# Altium PCB PCB.PcbDoc (part 2 of 3)
Units mil, origin at the board's own origin, x right, y up, seen from the top; angles counter-clockwise.
Board outline 5118.11 x 3622.05 mil, 2 copper layers (Top Layer, Bottom Layer), stack 61.811 mil thick; 308 components, 151 nets, 766 pads, 1310 vias.
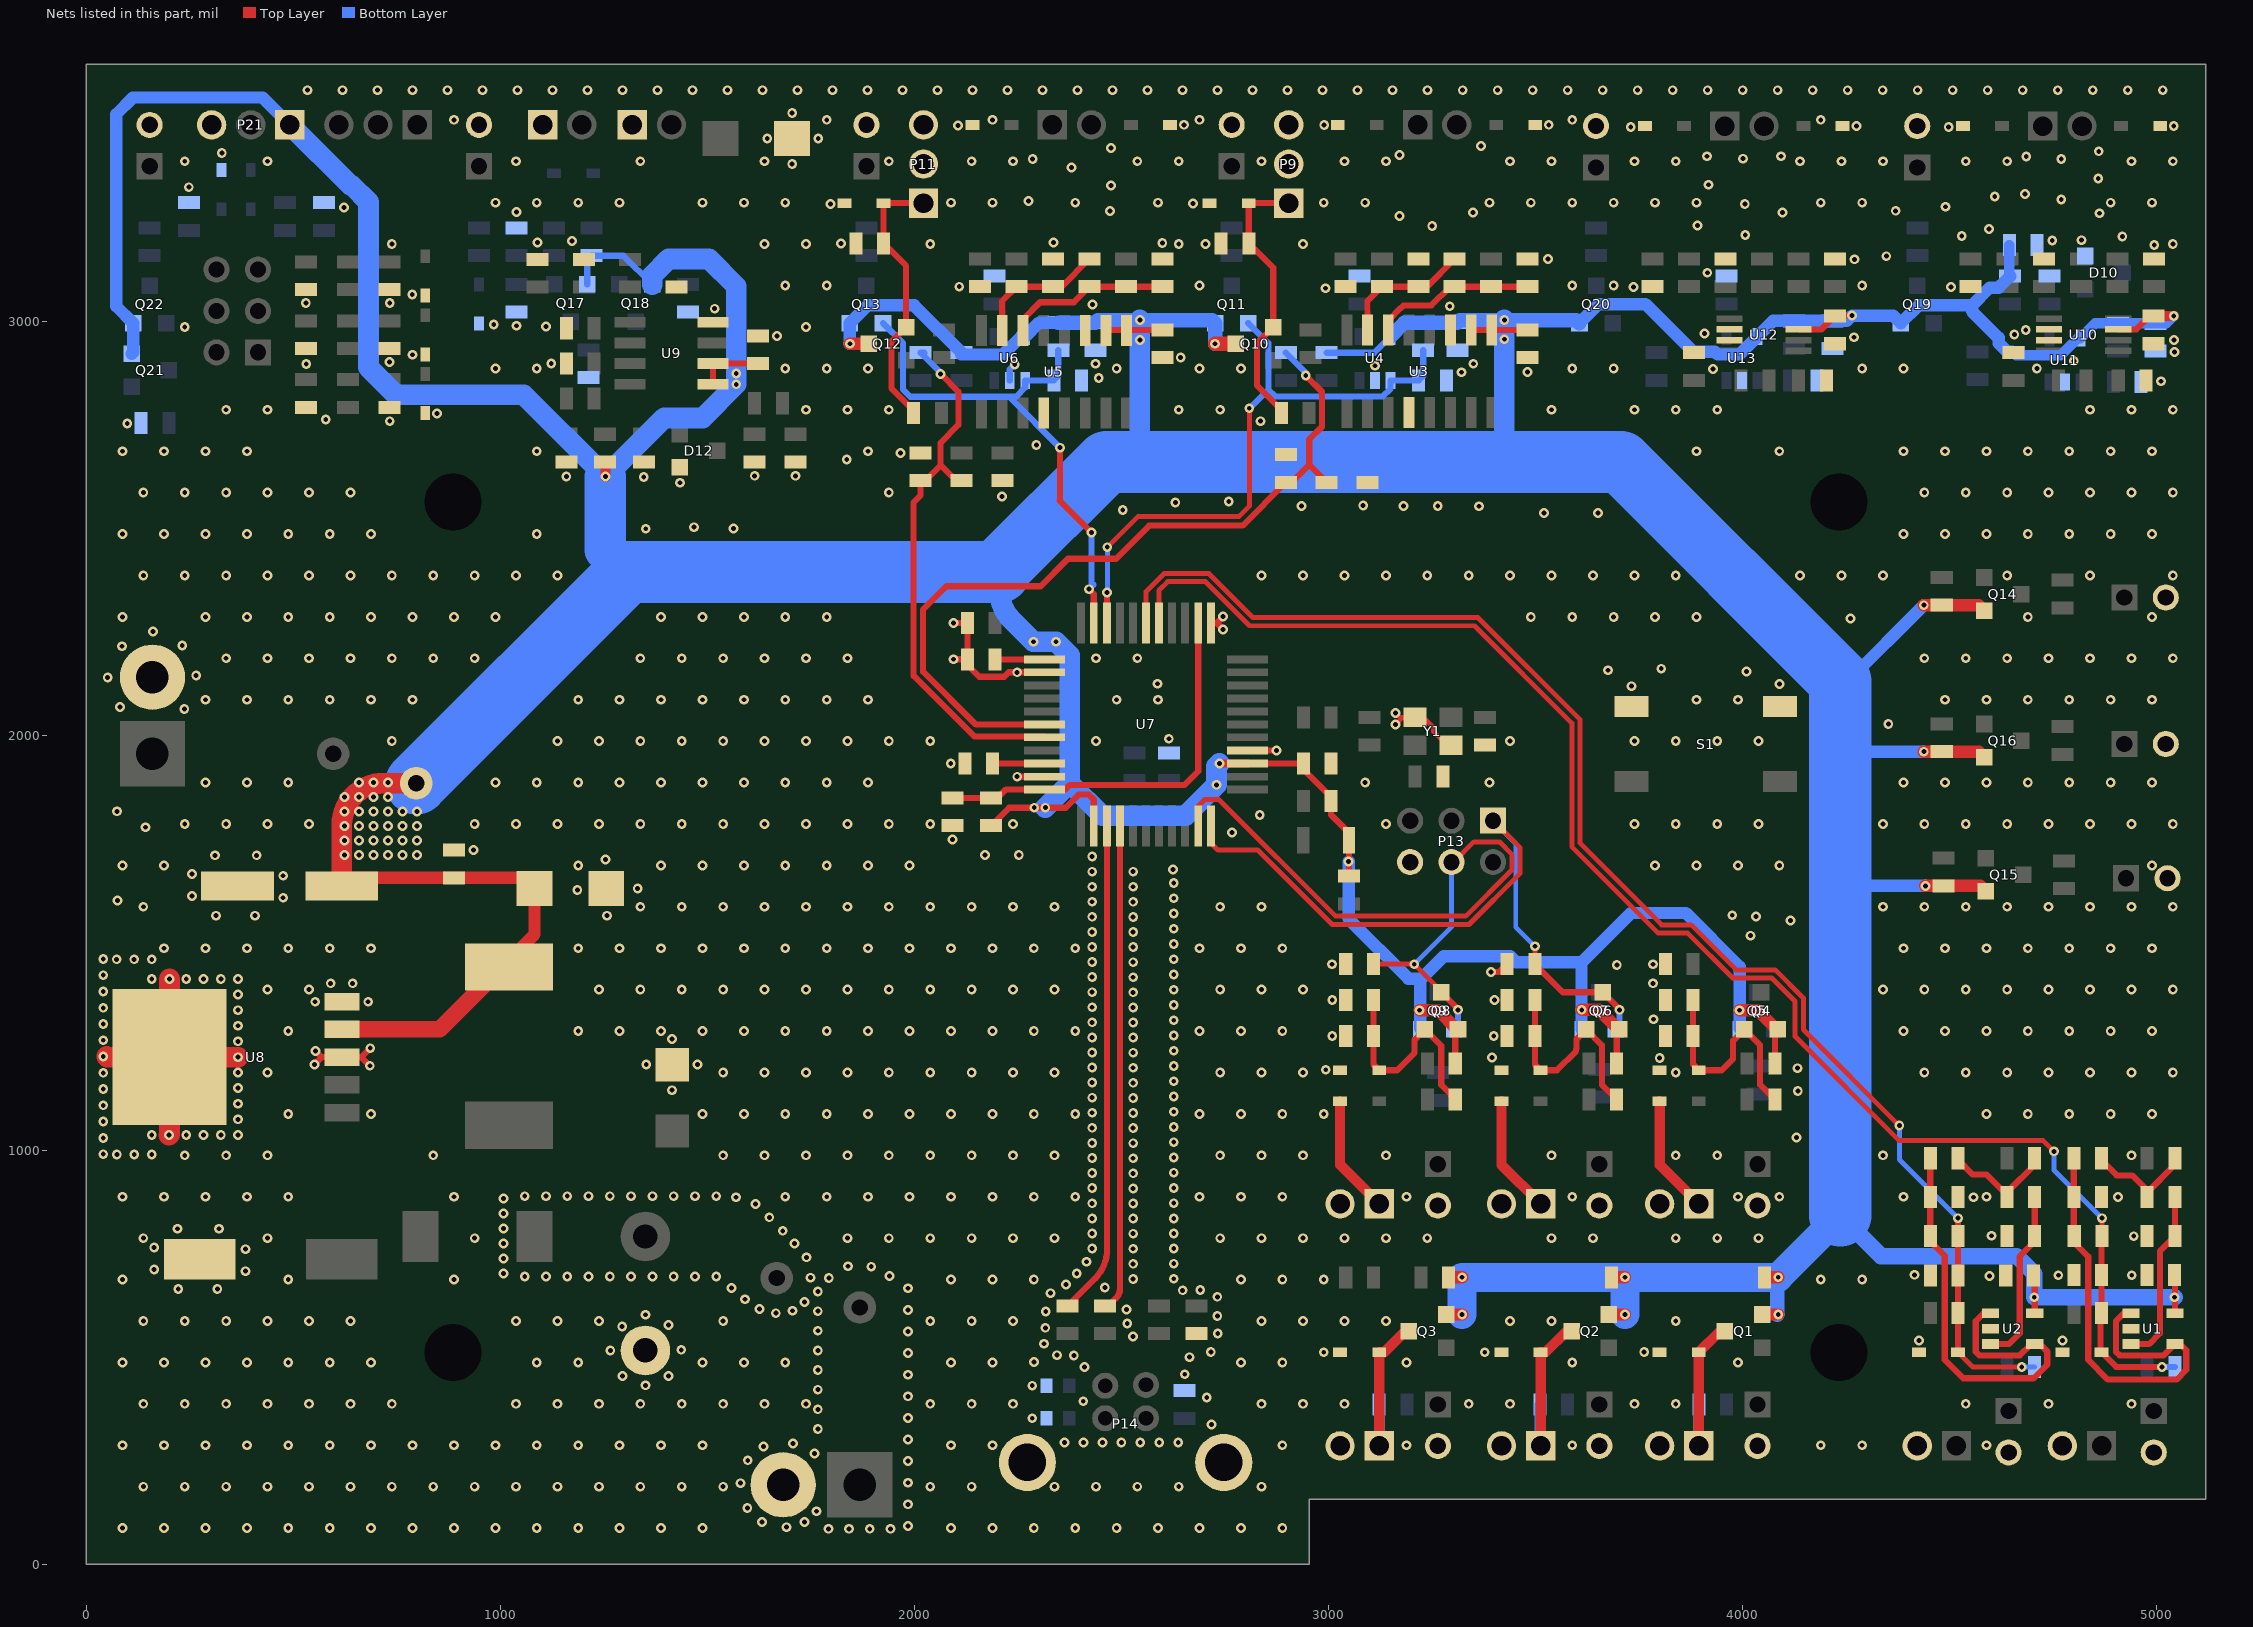
[diagram p2: the nets of this part, all layers, seen from the top]

## Via types
v1: diameter 23.62, hole 11.81, Top Layer to Bottom Layer, tented both sides, 1308 vias
v2: diameter 23.62, hole 11.81, Top Layer to Bottom Layer, 2 vias

## Nets (pads, with @x,y where several pads share a name; then routed paths per layer and width w, separated by ;. In a path a pad name is that pad's centre, name@x,y a point inside that pad or via, vN(x,y) a via of type N, cw(c..) or ccw(c..) an arc to the next point about the centre after c; other vN are vias at no path point) (continued)
5V: C1.2 C5.2 C12.1 C14.2 C20.1 C21.2 C28.1 C29.1 C38.1 C39.2 C40.1 C47.1 C49.1 C50.2 C56.1 C57.2 D7.2 F2.1 L1.1 L4.2 P21.1 Q1.3 Q2.3 Q3.3 Q4.3 Q5.3 Q6.3 Q7.3 Q8.3 Q9.3 Q10.2 Q11.3 Q12.2 Q13.3 Q14.3 Q15.3 Q16.3 Q17.3 Q18.3 Q19.3 Q20.3 Q21.3 Q22.3 R11.1 R12.1 R13.1 R20.1 R21.1 R22.1 R37.1 R38.1 R47.1 R49.1 R60.1 R62.2 R69.1 R70.1 R71.1 R72.2 R79.1 R80.1 R85.1 R86.1 R95.1 R96.1 TZ20.2 U1.5 U2.5 U3.1 U3.2 U4.5 U5.1 U5.2 U6.5 U7.2 U7.14 U7.34 U8.4 U9.5 U9.6 U10.7 U11.5 U12.7 U13.5 | length 24145.2
  Top Layer w15: U9.5@1513.71,2848.82 U9.6@1513.71,2898.82 C40.1@1622.05,2898.82 ; L1.1@2185.04,1783.46 2228.35,1826.77 v1(2289.37,1826.77) v1(2315.94,1826.77) 2364.9,1826.77 2396.39,1858.27 2421.26,1858.27 2433.06,1846.47 U7.2@2433.06,1782.56 ; C28.1@2194.88,2185.04 2195.36,2184.56 U7.34@2314.06,2184.56 ; U5.2@2462.2,2980.32 C20.1@2598.43,2980.32 ; U7.14@2804.06,1933.56 C29.1@2938.98,1933.56 2938.98,1919.29 3005.91,1852.36 R60.1@3005.91,1842.52 3005.91,1809.06 3049.21,1765.75 D7.2@3049.21,1748.03 R62.2@3049.21,1661.42 ; R22.1@3305.74,1208.66 3305.74,1284.8 Q8.3@3312.28,1291.34 ; U3.2@3344.09,2980.32 U3.1@3394.09,2980.32 C12.1@3480.32,2980.32 ; R21.1@3695.51,1208.66 3695.51,1284.8 Q6.3@3702.04,1291.34 ; R20.1@4077.4,1208.66 4077.4,1284.8 Q4.3@4083.93,1291.34 ; U12.7@4134.84,2981.3 4189.96,2981.3 C56.1@4222.44,3013.78 4223.42,3014.76 v1(4263.78,3014.76) ; C5.2@4701.77,696.85 4704.72,693.9 U2.5@4704.72,606.3 ; U10.7@4906.5,2981.3 4949.8,2981.3 4982.28,3013.78 C49.1@4992.13,3013.78 ; U1.5@5043.31,606.3 C1.2@5043.31,697.83
  Top Layer w20: v1(2736.22,1933.56) U7.14@2804.06,1933.56
  Top Layer w25: R80.1@1252.95,2661.42 1253.94,2660.43 v1(1253.94,2625.98) ; C49.1@4992.13,3013.78 v1(5040.35,3013.78)
  Top Layer w30: C38.1@617.58,1637.8 637.26,1657.48 C39.2@888.78,1657.48 1056.46,1657.48 TZ20.2@1082.68,1631.26 1082.68,1520.67 1012.3,1450.3 L4.2@1020.67,1441.93 ; v1(1844.06,2946.85) Q12.2@1889.76,2946.85 ; v1(3219.49,1337.6) 3264.03,1337.6 3310.29,1291.34 Q8.3@3312.28,1291.34 ; Q3.3@3283.46,602.99 v1(3322.4,602.99) ; R13.1@3289.48,692.91 v1(3322.4,692.91) ; v1(3611.22,1338.58) 3611.46,1338.34 3653.06,1338.34 3700.06,1291.34 Q6.3@3702.04,1291.34 ; Q2.3@3676.61,602.99 v1(3715.55,602.99) ; R12.1@3682.63,692.91 v1(3715.55,692.91) ; v1(3992.13,1337.6) 4035.69,1337.6 4081.95,1291.34 Q4.3@4083.93,1291.34 ; Q1.3@4046.69,602.99 v1(4085.63,602.99) ; R11.1@4052.7,692.91 v1(4085.63,692.91) ; v1(4437.01,1961.89) R71.1@4480.32,1961.89 4569.61,1961.89 Q16.3@4582.68,1948.82 ; v1(4437.01,2315.59) R69.1@4480.32,2315.59 4569.61,2315.59 Q14.3@4582.68,2302.52 ; v1(4440.94,1637.8) R70.1@4484.25,1637.8 4573.54,1637.8 Q15.3@4586.61,1624.72
  Top Layer w35: v1(2725.94,2946.85) Q10.2@2776.14,2946.85
  Top Layer w40: U8.4@617.58,1291.34 853.35,1291.34 L4.2@1012.3,1450.3
  Top Layer w50: C38.1@617.58,1637.8 617.58,1785.83 cw(c717.58,1785.83) 717.58,1885.83 F2.1@797.24,1885.83
  Bottom Layer w15: Q21.3@110.04,2922.52 110.04,2993.11 Q22.3@113.54,2996.61 ; Q17.3@1209.92,3090 1209.92,3148.9 R79.1@1220.47,3159.45 1297.32,3159.45 Q18.3@1366.77,3090 ; R38.1@2995.33,2925.2 3110.24,2925.2 U4.5@3149.61,2964.57 ; R72.2@4643.7,3112.21 R72.2@4645.67,3110.24
  Bottom Layer w25: R72.2@4643.7,3112.21 C47.1@4643.7,3185.04 ; R86.1@4653.54,2925.2 4659.41,2919.33 4767.34,2919.33 4808.51,2960.5 U11.5@4814.96,2960.5 4850.52,2996.06 R85.1@4905.51,2996.06 C50.2@4996.06,2996.06 5022.64,2996.06 v1(5040.35,3013.78)
  Bottom Layer w30: Q21.3@110.04,2922.52 113.54,2926.02 Q22.3@113.54,2996.61 72.83,3037.32 72.83,3500.98 113.19,3541.34 426.06,3541.34 P21.1@492.13,3475.28 ; v1(1844.06,2946.85) Q13.3@1844.06,2996.61 1887.06,3039.61 1999.03,3039.61 R49.1@2113.45,2925.2 2113.45,2920.9 2214.25,2920.9 2257.92,2964.57 U6.5@2267.72,2964.57 2301.18,2998.03 R47.1@2347.44,2998.03 ; v1(3048.23,1696.85) 3048.23,1558.16 3192.38,1414.01 3217.64,1414.01 3220.78,1410.87 ; Q9.3@3223.78,1291.34 3220.78,1294.34 3220.78,1410.87 ; Q20.3@3605.67,2996.61 3651.38,3042.32 3764.76,3042.32 R96.1@3881.89,2925.2 3884.22,2927.53 3932.66,2927.53 3939.29,2920.9 3991.76,2920.9 U13.5@4035.43,2964.57 4072.83,3001.97 R95.1@4123.03,3001.97 C57.2@4216.54,3001.97 4250.98,3001.97 v1(4263.78,3014.76) 4363.11,3014.76 Q19.3@4381.26,2996.61 4424.26,3039.61 4553.65,3039.61 ; Q7.3@3613.54,1291.34 3610.54,1291.34 3610.54,1453.06 ; Q5.3@3995.43,1291.34 3992.43,1294.34 3992.43,1442.61 3862.66,1572.38 3729.86,1572.38 3610.54,1453.06 ; 4235.24,1640.75 4238.19,1637.8 v1(4440.94,1637.8) ; 4235.24,1959.65 4237.48,1961.89 v1(4437.01,1961.89) ; 4235.24,2131.89 4253.31,2131.89 v1(4437.01,2315.59) ; R72.2@4645.67,3110.24 4617.49,3082.06 4596.09,3082.06 4553.65,3039.61 ; R86.1@4653.54,2925.2 4650.95,2927.79 4638.14,2927.79 4617.75,2948.18 4617.75,2960.99 4553.65,3025.09 4553.65,3039.61 ; 3220.78,1410.87 3278.42,1468.5 3437.99,1468.5 3453.43,1453.06 3610.54,1453.06
  Bottom Layer w35: R47.1@2347.44,2998.03 2348.33,2997.14 2436.11,2997.14 C21.2@2437.01,2998.03 2442.91,3003.94 v1(2544.29,3003.94) 2718.62,3003.94 Q11.3@2725.94,2996.61 v1(2725.94,2946.85) ; U4.5@3149.61,2964.57 3183.07,2998.03 R37.1@3228.35,2998.03 C14.2@3311.02,2998.03 3316.93,3003.94 v1(3424.21,3003.94) 3598.35,3003.94 Q20.3@3605.67,2996.61 ; v1@4083.6,602.99 4083.6,690.89 cw(c4085.63,690.89) v1(4085.63,692.91)
  Bottom Layer w40: 4235.24,842.52 4333.66,744.09 4661.42,744.09 4703.74,701.77 v1(4703.74,644.69) v1(5042.32,644.69)
  Bottom Layer w50: P21.1@492.13,3475.28 638.14,3329.26 641.59,3329.26 681.71,3289.15 681.71,2889.76 748.12,2823.35 1056.57,2823.35 v1(1253.94,2625.98) 1395.67,2767.72 1488.78,2767.72 v1(1569.88,2848.82) v1(1569.88,2875) 1569.88,3085.63 1503.94,3151.57 1406.5,3151.57 1366.77,3111.85 Q18.3@1366.77,3090 ; 2205.71,2403.77 2205.71,2350.48 ccw(c2305.71,2350.48) 2235,2279.77 v1(2287.4,2227.36) v1(2341.54,2227.36) 2375,2193.9 2375,1885.83 ; v1(2315.94,1826.77) 2375,1885.83 ; v1(2544.29,3003.94) v1(2544.29,2955.71) 2544.29,2661.42 2564.96,2661.42 ; v1(2736.22,1933.56) 2729.33,1926.67 v1(2729.33,1881.89) 2654.53,1807.09 2453.74,1807.09 2375,1885.83 ; v1(3424.21,3003.94) v1(3424.21,2957.68) 3424.21,2663.79 ccw(c3427.57,2663.79) 3425.2,2661.42
  Bottom Layer w70: v1(3322.4,602.99) v1(3322.4,692.91) v1(3715.55,692.91) ; v1(3715.55,602.99) v1(3715.55,692.91) ; 4235.24,842.52 v1(4085.63,692.91) v1(3715.55,692.91)
  Bottom Layer w100: v1(1253.94,2625.98) 1253.94,2448.82 1307.09,2395.67
  Bottom Layer w150: F2.1@797.24,1885.83 1307.09,2395.67 2205.71,2395.67 ; 2205.71,2403.77 2463.35,2661.42 2564.96,2661.42 ; 2471.46,2661.42 3705.71,2661.42 4235.24,2131.89 4235.24,1959.65 4235.24,1640.75 4235.24,842.52
  other v1: 624.02,1712.6 658.96,1712.6 693.9,1712.6 728.84,1712.6 763.78,1712.6 798.72,1712.6 624.02,1747.54 658.96,1747.54 693.9,1747.54 728.84,1747.54 763.78,1747.54 798.72,1747.54 624.02,1782.48 658.96,1782.48 693.9,1782.48 728.84,1782.48 763.78,1782.48 798.72,1782.48 624.02,1817.42 658.96,1817.42 693.9,1817.42 728.84,1817.42 763.78,1817.42 798.72,1817.42 624.02,1852.36 658.96,1852.36 693.9,1852.36 728.84,1852.36 658.96,1887.3 693.9,1887.3 728.84,1887.3
ANALOG_OUT_1: C4.1 R1.2 R5.2 R116.1 TZ1.2 U7.27 | length 3768.1
  Top Layer w12: U7.27@2590.06,2272.56 2590.06,2350.96 2611.36,2372.27 2702.54,2372.27 2808.83,2265.97 3352.08,2265.97 3587.24,2030.81 3587.24,1732.64 3795.94,1523.94 3866.93,1523.94 3975.52,1415.34 4069.73,1415.34 4125.98,1359.09 4125.98,1274.52 4376.88,1023.62 4724.41,1023.62 v1(4750.98,997.05) ; R116.1@4867.13,792.21 v1(4867.13,835.63)
  Top Layer w15: R116.1@4866.14,791.23 C4.1@4866.14,697.83 R1.2@4866.14,606.3 4863.82,603.97 4863.82,514.14 TZ1.2@4866.14,511.81 4901.57,476.38 v1(5012.06,476.38)
  Bottom Layer w12: v1(4750.98,997.05) 4750.98,951.77 v1(4867.13,835.63)
  Bottom Layer w15: v1(5012.06,476.38) R5.2@5043.31,476.38
ANALOG_OUT_2: C8.1 R6.2 R7.2 R117.1 TZ2.2 U7.28 | length 3490.1
  Top Layer w12: U7.28@2559.06,2272.56 2559.06,2348.24 2603.08,2392.27 2710.82,2392.27 2817.12,2285.97 3360.37,2285.97 3607.24,2039.09 3607.24,1740.92 3804.23,1543.94 3875.21,1543.94 3983.81,1435.34 4078.02,1435.34 4145.98,1367.37 4145.98,1291.02 v1(4377.95,1059.06) ; TZ2.2@4519.68,511.81 4555.12,476.38 v1(4673.46,476.38)
  Top Layer w15: TZ2.2@4519.68,511.81 R7.2@4519.68,606.3 C8.1@4519.68,696.85 R117.1@4519.68,792.21 v1(4519.68,835.63)
  Bottom Layer w12: v1(4377.95,1059.06) 4377.95,977.36 v1(4519.68,835.63) ; v1(4673.46,476.38) R6.2@4704.72,476.38
DIN_1: D1.2 P6.1 | length 287.2
  Top Layer w25: D1.2@3799.21,1118.11 3799.21,964.57 P6.1@3893.7,870.08
DIN_2: D6.2 P7.1 | length 287.2
  Top Layer w25: D6.2@3417.32,1118.11 3417.32,964.57 P7.1@3511.81,870.08
DIN_3: D2.2 P8.1 | length 287.2
  Top Layer w25: D2.2@3027.56,1118.11 3027.56,964.57 P8.1@3122.05,870.08
DM: R64.2 U7.3 | length 1193.6
  Top Layer w15: R64.2@2370.08,624.02 2435.77,689.7 ccw(c2365.06,760.41) 2465.06,760.41 U7.3@2465.06,1782.56
DOUT_1: P3.1 Q1.2 R14.2 TZ3.2 | length 410.2
  Top Layer w25: P3.1@3893.7,285.82 TZ3.2@3893.7,511.81 3944.88,562.99 Q1.2@3956.69,562.99
  Bottom Layer w25: P3.1@3893.7,285.82 R14.2@3893.7,385.83
DOUT_2: P4.1 Q2.2 R15.2 TZ4.2 | length 422.8
  Top Layer w25: P4.1@3511.81,285.82 TZ4.2@3511.81,511.81 3523.62,511.81 3574.8,562.99 Q2.2@3586.61,562.99
  Bottom Layer w25: R15.2@3509.84,385.83 3509.84,287.79 P4.1@3511.81,285.82
DOUT_3: P5.1 Q3.2 R16.2 TZ5.2 | length 418.6
  Top Layer w25: P5.1@3122.05,285.82 TZ5.2@3122.05,511.81 3133.86,511.81 3185.04,562.99 Q3.2@3193.46,562.99
  Bottom Layer w25: P5.1@3122.05,285.82 R16.2@3122.05,385.83
DP: R65.2 U7.4 | length 1175.6
  Top Layer w15: R65.2@2460.63,624.02 ccw(c2460.63,643.03) 2474.07,629.58 2486.22,641.73 ccw(c2462.48,665.48) 2496.06,665.48 U7.4@2496.06,1782.56
GND: C1.1 C3.2 C4.2 C5.1 C7.2 C8.2 C9.1 C10.1 C11.1 C12.2 C13.1 C14.1 C16.1 C17.1 C18.1 C19.1 C20.2 C21.1 C22.1 C23.1 C25.1 C26.1 C27.1 C28.2 C29.2 C30.1 C31.1 C32.2 C33.2 C35.2 C36.2 C37.2 C38.2 C39.1 C40.2 C41.1 C42.1 C43.1 C44.1 C45.1 C46.1 C47.2 C48.2 C49.2 C50.1 C52.1 C53.1 C54.1 C55.1 C56.2 C57.1 C59.1 C60.1 C61.1 C62.1 C63.1 C64.1 C65.1 C66.1 D3.1 D4.1 D5.1 D9.1 D10.3 D12.3 D13.1 L3.1 LED1.2 LED2.2 LED3.2 LED4.2 LED5.2 LED6.2 LED7.2 LED8.2 LED9.2 LED10.2 LED11.2 LED12.2 LED13.2 LED14.2 LED15.2 LED16.2 LED17.2 P1.2 P2.2 P3.2 P4.2 P5.2 P6.2 P7.2 P8.2 P9.2 P9.3 P11.2 P11.3 P13.6 P14.5 P14.6 P15.2 P16.1 P17.1 P21.3 P23.2 R4.2 R10.2 R26.1 R27.1 R28.1 R32.1 R33.1 R34.1 R42.2 R44.2 R46.1 R52.2 R57.2 R58.1 R63.1 R75.2 R76.2 R78.2 R82.1 R84.2 R91.2 R92.2 R94.1 R101.2 R102.2 R104.1 R108.2 R109.2 R110.2 R112.2 R114.1 R115.1 S1.1 S1.2 TZ1.1 TZ2.1 TZ3.1 TZ4.1 TZ5.1 TZ6.1 TZ7.1 TZ8.1 TZ9.1 TZ10.1 TZ11.1 TZ12.1 TZ13.1 TZ14.1 TZ15.1 TZ16.1 TZ17.1 TZ18.1 TZ19.1 TZ20.1 TZ21.1 TZ22.1 U1.2 U2.2 U3.3 U3.12 U4.2 U5.3 U5.12 U6.2 U7.15 U7.23 U7.35 U7.43 U8.3 U8.5 U8.6 U9.8 U10.2 U10.3 U11.2 U12.2 U12.3 U13.2 Y1.2 Y1.4 Z1.1 Z2.1 | length 1745.9
  Top Layer w12: v1(3161.42,2027.56) 3178.54,2044.69 ; v1(3161.42,2055.12) 3171.85,2044.69 3178.54,2044.69 ; Y1.2@3295.28,1977.76 3286.14,1977.76 3253.72,2010.18 3253.72,2019.32 3228.35,2044.69 Y1.4@3208.66,2044.69 3178.54,2044.69
  Top Layer w15: v1(551.18,1206.69) 568.9,1224.41 ; v1(554.13,1239.17) 568.9,1224.41 ; v1(685.04,1203.74) 664.37,1224.41 ; v1(686.02,1246.06) 664.37,1224.41 ; v1(2094.49,2185.04) C28.2@2127.95,2185.04 ; v1(2094.49,2272.56) R63.1@2127.95,2272.56 C28.2@2127.95,2185.04 ; v1(2248.03,1901.57) U7.43@2314.06,1901.56 ; U7.35@2314.06,2153.56 v1(2248.03,2153.56) 2227.64,2153.56 2217.05,2142.96 2156.25,2142.96 2127.95,2171.26 C28.2@2127.95,2185.04 ; U7.23@2716.06,2272.56 2729.41,2272.56 ; v1(2745.08,2256.89) 2729.41,2272.56 ; v1(2745.08,2288.23) 2729.41,2272.56 ; U7.15@2804.06,1964.56 v1(2874.02,1964.56) ; v1(3391.73,1430.12) 3412.4,1430.12 R33.1@3431.1,1448.82 ; 568.9,1224.41 U8.3@617.58,1224.41 664.37,1224.41
  Top Layer w50: v1@50,1225.89 51.48,1224.41 U8.6@201.32,1224.41 ; v1(200.2,1036.66) 201.32,1037.79 U8.6@201.32,1224.41 ; v1(201.32,1413.14) U8.6@201.32,1224.41 ; v1(367.13,1224.41) U8.6@201.32,1224.41
  Bottom Layer w15: U6.2@2230.31,2858.27 2230.31,2884.84 v1(2242.13,2896.65)
  other v1: 1792.32,85.63 1842.19,85.63 1892.06,85.63 1941.93,85.63 88.19,87.4 188.19,87.4 288.19,87.4 388.19,87.4 488.19,87.4 588.19,87.4 688.19,87.4 788.19,87.4 888.19,87.4 988.19,87.4 1088.19,87.4 1188.19,87.4 1288.19,87.4 1388.19,87.4 1488.19,87.4 2088.19,87.4 2188.19,87.4 2288.19,87.4 2388.19,87.4 2488.19,87.4 2588.19,87.4 2688.19,87.4 2788.19,87.4 2888.19,87.4 1690.94,89.57 1984.25,92.52 1631.89,102.36 1734.25,102.36 1763.78,127.95 1596.46,135.83 1984.25,144.69 138.19,187.4 238.19,187.4 338.19,187.4 438.19,187.4 538.19,187.4 638.19,187.4 738.19,187.4 838.19,187.4 938.19,187.4 1038.19,187.4 1138.19,187.4 1238.19,187.4 1338.19,187.4 1438.19,187.4 1538.19,187.4 2038.19,187.4 2138.19,187.4 2338.19,187.4 2438.19,187.4 2538.19,187.4 2638.19,187.4 2838.19,187.4 1579.72,195.87 1984.25,196.85 1984.25,249.02 1597.44,250.98 1758.86,267.72 1635.83,284.45 88.19,287.4 188.19,287.4 288.19,287.4 388.19,287.4 488.19,287.4 588.19,287.4 688.19,287.4 788.19,287.4 888.19,287.4 988.19,287.4 1088.19,287.4 1188.19,287.4 1288.19,287.4 1388.19,287.4 1488.19,287.4 2088.19,287.4 2188.19,287.4 2888.19,287.4 3188.19,287.4 3588.19,287.4 4188.19,287.4 4288.19,287.4 4588.19,287.4 1706.69,291.34 2362.2,294.29 2407.97,294.29 2453.74,294.29 2499.51,294.29 2545.28,294.29 2591.04,294.29 2636.81,294.29 1984.25,301.18 1766.73,326.77 2717.52,337.6 2284.45,352.44 1984.25,353.35 1766.73,374.16 138.19,387.4 238.19,387.4 338.19,387.4 438.19,387.4 538.19,387.4 638.19,387.4 738.19,387.4 1038.19,387.4 1138.19,387.4 1238.19,387.4 1338.19,387.4 1438.19,387.4 1538.19,387.4 1638.19,387.4 1738.19,387.4 2038.19,387.4 2138.19,387.4 2238.19,387.4 2838.19,387.4 2938.19,387.4 3038.19,387.4 3338.19,387.4 3438.19,387.4 3738.19,387.4 3838.19,387.4 4538.19,387.4 4738.19,387.4 4938.19,387.4 2407.48,393.7 2705.71,402.56 1984.25,405.51 1766.73,421.54 2284.45,431.18 1350.39,432.09 1295.28,454.33 1406.5,454.33 1984.25,457.68 2652.56,458.66 1766.73,468.93 2410.43,476.38 88.19,487.4 188.19,487.4 288.19,487.4 388.19,487.4 488.19,487.4 588.19,487.4 688.19,487.4 1088.19,487.4 1188.19,487.4 1488.19,487.4 1588.19,487.4 1688.19,487.4 2088.19,487.4 2188.19,487.4 2788.19,487.4 2888.19,487.4 3188.19,487.4 3588.19,487.4 3988.19,487.4 2288.39,488.19 2664.37,500 2384.84,503.94 2344.49,504.92 1984.25,509.84 2988.19,511.81 3376.97,511.81 2715.55,512.8 3761.81,512.8 1265.75,516.31 1766.73,516.31 1437.01,517.72 2312.99,532.48 4425.2,540.35 4771.65,540.35 2527.56,550.2 2732.28,557.09 1984.25,562.01 1766.73,563.7 2315.94,570.87 1294.29,574.41 1406.5,577.36 2513.78,581.14 138.19,587.4 238.19,587.4 338.19,587.4 438.19,587.4 538.19,587.4 638.19,587.4 1038.19,587.4 1138.19,587.4 1238.19,587.4 1538.19,587.4 2038.19,587.4 2138.19,587.4 2238.19,587.4 2838.19,587.4 2938.19,587.4 3038.19,587.4 3138.19,587.4 3438.19,587.4 3538.19,587.4 3838.19,587.4 2731.3,599.41 1350.39,602.36 1665.35,606.3 2316.93,610.24 1766.73,611.08 1705.71,612.2 1984.25,614.17 2511.81,615.16 1625.98,616.14 1734.25,633.3 1590.55,639.76 2731.3,645.67 2328.74,654.53 1766.73,658.46 2647.64,661.42 2689.96,662.4 222.44,664.37 316.93,664.37 1984.25,666.34 1558.07,667.32 2459.65,668.31 2366.14,675.2 88.19,687.4 488.19,687.4 888.19,687.4 2088.19,687.4 2188.19,687.4 2288.19,687.4 2788.19,687.4 2888.19,687.4 2988.19,687.4 4188.19,687.4 4288.19,687.4 2528.06,688.97 2625.98,689.4 1793.31,690.94 1749.02,691.93 1059.06,694.88 1110.43,694.88 1161.81,694.88 1213.19,694.88 1264.57,694.88 1315.94,694.88 1367.32,694.88 1418.7,694.88 1470.08,694.88 1521.45,694.88 1939.96,695.87 4595.47,695.87 4761.81,697.83 4938.98,697.83 4414.37,698.82 1007.87,701.89 2391.73,701.77 384.79,707.68 164.37,711.61 1895.67,718.5 1839.57,719.49 2528.06,725.39 2625.98,725.82 2415.35,730.32 1007.87,738.09 1739.17,741.14 384.79,760.83 2528.06,761.81 2429.13,762.19 2625.98,762.23 164.37,764.76 1007.87,774.28 1710.63,774.61 138.19,787.4 438.19,787.4 938.19,787.4 1838.19,787.4 1938.19,787.4 2038.19,787.4 2138.19,787.4 2238.19,787.4 2338.19,787.4 2738.19,787.4 2838.19,787.4 2938.19,787.4 3038.19,787.4 3138.19,787.4 3238.19,787.4 3538.19,787.4 3638.19,787.4 3838.19,787.4 3938.19,787.4 4038.19,787.4 4943.9,792.21 4600.39,793.31 2429.13,798.61 2528.06,798.23 2625.98,798.65 1682.09,805.12 220.47,810.04 320.87,810.04 1007.87,810.48 2528.06,834.65 2429.13,835.03 2625.98,835.07 1649.61,837.6 1007.87,846.68 1616.14,870.08 2429.13,871.45 2528.06,871.06 2625.98,871.87 1007.87,882.87 1568.9,886.26 4557.09,886.26 4905.51,886.81 88.19,887.4 188.19,887.4 288.19,887.4 388.19,887.4 488.19,887.4 888.19,887.4 1688.19,887.4 1788.19,887.4 1888.19,887.4 1988.19,887.4 2088.19,887.4 2188.19,887.4 2288.19,887.4 2388.19,887.4 2688.19,887.4 2788.19,887.4 2888.19,887.4 3188.19,887.4 3588.19,887.4 3988.19,887.4 4088.19,887.4 4388.19,887.4 4588.19,887.4 1059.06,888.78 1110.43,888.78 1161.81,888.78 1213.19,888.78 1264.57,888.78 1315.94,888.78 1367.32,888.78 1418.7,888.78 1470.08,888.78 1521.45,888.78 2528.06,907.48 2429.13,908.25 2625.98,908.68 2429.13,944.63 2528.06,943.9 2625.98,945.48 2528.06,980.32 2429.13,981.02 2625.98,982.28 238.19,987.4 338.19,987.4 438.19,987.4 838.19,987.4 1538.19,987.4 1638.19,987.4 1738.19,987.4 1838.19,987.4 1938.19,987.4 2038.19,987.4 2138.19,987.4 2238.19,987.4 2338.19,987.4 2738.19,987.4 2838.19,987.4 2938.19,987.4 3138.19,987.4 3538.19,987.4 3838.19,987.4 3938.19,987.4 4338.19,987.4 4938.19,987.4 74.21,989.17 116.34,989.17 158.46,989.17 41.34,990.16 2528.06,1016.74 2429.13,1017.4 2625.98,1019.08 41.34,1029.45 4129.92,1030.51 158.46,1036.66 241.93,1036.66 283.66,1036.66 325.39,1036.66 367.13,1036.66 2429.13,1053.78 2528.06,1053.16 2625.98,1055.89 41.34,1068.73 367.13,1074.31 488.19,1087.4 688.19,1087.4 1488.19,1087.4 1588.19,1087.4 1688.19,1087.4 1788.19,1087.4 1888.19,1087.4 1988.19,1087.4 2088.19,1087.4 2188.19,1087.4 2288.19,1087.4 2388.19,1087.4 2688.19,1087.4 2788.19,1087.4 2888.19,1087.4 2988.19,1087.4 4588.19,1087.4 4688.19,1087.4 4788.19,1087.4 4888.19,1087.4 4988.19,1087.4 2528.06,1089.58 2429.13,1090.16 2625.98,1092.69 41.34,1108.02 367.13,1111.96 2429.13,1126.55 2528.06,1126 2625.98,1129.49 4132.87,1142.72 1414.37,1144.69 41.34,1147.31 367.13,1149.61 2528.06,1162.41 2429.13,1162.93 2625.98,1166.29 41.34,1186.6 367.13,1187.25 438.19,1187.4 1538.19,1187.4 1638.19,1187.4 1738.19,1187.4 1838.19,1187.4 1938.19,1187.4 2038.19,1187.4 2138.19,1187.4 2238.19,1187.4 2338.19,1187.4 2738.19,1187.4 2838.19,1187.4 2938.19,1187.4 3838.19,1187.4 4438.19,1187.4 4538.19,1187.4 4638.19,1187.4 4738.19,1187.4 4838.19,1187.4 4938.19,1187.4 5038.19,1187.4 2993.11,1193.9 4131.89,1197.83 2528.06,1198.83 2429.13,1199.31 2625.98,1203.1 1352.36,1206.78 1476.27,1206.58 3799.21,1222.44 3394.68,1223.43 41.34,1225.89 2429.13,1235.69 2528.06,1235.25 2625.98,1239.9 367.13,1262.55 41.34,1265.17 1414.37,1268.48 2528.06,1271.67 2429.13,1272.07 3008.86,1275.59 3398.62,1275.59 2625.98,1276.7 488.19,1287.4 1188.19,1287.4 1288.19,1287.4 1388.19,1287.4 1488.19,1287.4 1588.19,1287.4 1688.19,1287.4 1788.19,1287.4 1888.19,1287.4 1988.19,1287.4 2088.19,1287.4 2188.19,1287.4 2288.19,1287.4 2388.19,1287.4 2688.19,1287.4 2788.19,1287.4 2888.19,1287.4 4388.19,1287.4 4488.19,1287.4 4588.19,1287.4 4688.19,1287.4 4788.19,1287.4 4888.19,1287.4 4988.19,1287.4 367.13,1300.2 41.34,1304.46 2429.13,1308.46 2528.06,1308.09 2625.98,1313.5 3784.45,1315.94 367.13,1337.84 41.34,1343.5 2429.13,1344.84 2528.06,1344.51 2625.98,1350.31 553.15,1358.27 681.1,1358.27 3008.86,1362.2 3400.59,1362.2 367.13,1375.49 2429.13,1381.22 2528.06,1380.93 41.34,1383.04 438.19,1387.4 538.19,1387.4 1238.19,1387.4 1338.19,1387.4 1438.19,1387.4 1538.19,1387.4 1638.19,1387.4 1738.19,1387.4 1838.19,1387.4 1938.19,1387.4 2038.19,1387.4 2138.19,1387.4 2238.19,1387.4 2338.19,1387.4 2625.98,1387.11 2738.19,1387.4 2838.19,1387.4 2938.19,1387.4 4338.19,1387.4 4438.19,1387.4 4538.19,1387.4 4638.19,1387.4 4738.19,1387.4 4838.19,1387.4 4938.19,1387.4 5038.19,1387.4 590.55,1402.56 643.7,1402.56 3783.46,1402.56 158.46,1413.14 241.93,1413.14 283.66,1413.14 325.39,1413.14 367.13,1413.14 2429.13,1417.6 2528.06,1417.35 41.34,1422.33 2625.98,1423.91 3695.87,1446.85 3007.87,1448.82 3783.46,1448.82 2528.06,1453.77 2429.13,1453.99 73.82,1460.63 116.14,1460.63 158.46,1460.63 2625.98,1460.71 41.34,1461.61 188.19,1487.4 288.19,1487.4 388.19,1487.4 488.19,1487.4 588.19,1487.4 688.19,1487.4 1188.19,1487.4 1288.19,1487.4 1388.19,1487.4 1488.19,1487.4 1588.19,1487.4 1688.19,1487.4 1788.19,1487.4 1888.19,1487.4 1988.19,1487.4 2088.19,1487.4 2188.19,1487.4 2288.19,1487.4 2388.19,1487.4 2688.19,1487.4 2788.19,1487.4 2888.19,1487.4 4388.19,1487.4 4488.19,1487.4 4588.19,1487.4 4688.19,1487.4 4788.19,1487.4 4888.19,1487.4 4988.19,1487.4 2429.13,1490.37 2528.06,1490.18 2625.98,1497.52 4018.7,1517.72 2429.13,1526.75 2528.06,1526.6 2625.98,1534.32 4115.16,1554.13 2429.13,1563.13 2528.06,1563.02 4031.5,1563.94 313.47,1565.94 407.96,1565.94 1257.87,1565.94 3974.41,1566.93 2625.98,1571.12 138.19,1587.4 1338.19,1587.4 1438.19,1587.4 1538.19,1587.4 1638.19,1587.4 1738.19,1587.4 1838.19,1587.4 1938.19,1587.4 2038.19,1587.4 2138.19,1587.4 2238.19,1587.4 2338.19,1587.4 2738.19,1587.4 2838.19,1587.4 4338.19,1587.4 4438.19,1587.4 4538.19,1587.4 4638.19,1587.4 4738.19,1587.4 4838.19,1587.4 4938.19,1587.4 5038.19,1587.4 2429.13,1599.51 2528.06,1599.44 75.79,1602.36 2625.98,1607.92 475.82,1609.25 255.4,1613.19 1186.02,1627.95 1331.69,1631.89 2429.13,1635.9 2528.06,1635.86 2625.98,1644.73 475.82,1662.4 255.4,1666.34 2429.13,1672.28 2528.06,1672.28 2624.02,1677.17 88.19,1687.4 188.19,1687.4 1188.19,1687.4 1388.19,1687.4 1488.19,1687.4 1588.19,1687.4 1688.19,1687.4 1788.19,1687.4 1888.19,1687.4 1988.19,1687.4 3788.19,1687.4 3888.19,1687.4 3988.19,1687.4 4088.19,1687.4 4988.19,1687.4 1253.94,1701.77 2429.13,1708.66 311.5,1711.61 411.9,1711.61 2170.28,1712.6 2251.97,1712.6 935.04,1724.41 2091.54,1750 2766.73,1766.73 143.7,1779.53 238.19,1787.4 338.19,1787.4 438.19,1787.4 538.19,1787.4 938.19,1787.4 1038.19,1787.4 1138.19,1787.4 1238.19,1787.4 1338.19,1787.4 1438.19,1787.4 1538.19,1787.4 1638.19,1787.4 1738.19,1787.4 1838.19,1787.4 1938.19,1787.4 2038.19,1787.4 2238.19,1787.4 3138.19,1787.4 3738.19,1787.4 3838.19,1787.4 3938.19,1787.4 4038.19,1787.4 4338.19,1787.4 4438.19,1787.4 4538.19,1787.4 4638.19,1787.4 4738.19,1787.4 4838.19,1787.4 4938.19,1787.4 5038.19,1787.4 2833.66,1809.06 74.8,1817.91 288.19,1887.4 388.19,1887.4 488.19,1887.4 988.19,1887.4 1088.19,1887.4 1188.19,1887.4 1288.19,1887.4 1388.19,1887.4 1488.19,1887.4 1588.19,1887.4 1688.19,1887.4 1788.19,1887.4 1888.19,1887.4 3088.19,1887.4 3388.19,1887.4 4388.19,1887.4 4488.19,1887.4 4588.19,1887.4 4688.19,1887.4 4788.19,1887.4 4888.19,1887.4 4988.19,1887.4 2087.6,1933.56 738.19,1987.4 1138.19,1987.4 1238.19,1987.4 1338.19,1987.4 1438.19,1987.4 1538.19,1987.4 1638.19,1987.4 1738.19,1987.4 1838.19,1987.4 1938.19,1987.4 2038.19,1987.4 2438.19,1987.4 3438.19,1987.4 3738.19,1987.4 3838.19,1987.4 3938.19,1987.4 4038.19,1987.4 2614.17,1993.11 4351.38,2028.54 237.2,2064.96 81.69,2069.88 288.19,2087.4 388.19,2087.4 488.19,2087.4 588.19,2087.4 688.19,2087.4 788.19,2087.4 1188.19,2087.4 1288.19,2087.4 1388.19,2087.4 1488.19,2087.4 1588.19,2087.4 1688.19,2087.4 1788.19,2087.4 1888.19,2087.4 2488.19,2087.4 2588.19,2087.4 3888.19,2087.4 3988.19,2087.4 4488.19,2087.4 4588.19,2087.4 4688.19,2087.4 4788.19,2087.4 4888.19,2087.4 4988.19,2087.4 3731.3,2120.08 4088.58,2125 2586.84,2125.98 52.17,2140.75 265.75,2145.67 4008.86,2155.51 3674.21,2158.46 3803.15,2162.4 338.19,2187.4 438.19,2187.4 538.19,2187.4 638.19,2187.4 738.19,2187.4 838.19,2187.4 938.19,2187.4 1338.19,2187.4 1438.19,2187.4 1538.19,2187.4 1638.19,2187.4 1738.19,2187.4 1838.19,2187.4 2438.19,2187.4 2538.19,2187.4 4438.19,2187.4 4538.19,2187.4 4638.19,2187.4 4738.19,2187.4 4838.19,2187.4 4938.19,2187.4 5038.19,2187.4 86.61,2216.54 232.28,2218.5 161.42,2251.97 4259.84,2283.46 88.19,2287.4 288.19,2287.4 388.19,2287.4 488.19,2287.4 588.19,2287.4 688.19,2287.4 788.19,2287.4 888.19,2287.4 988.19,2287.4 1388.19,2287.4 1488.19,2287.4 1588.19,2287.4 1688.19,2287.4 1788.19,2287.4 3488.19,2287.4 3588.19,2287.4 3688.19,2287.4 3788.19,2287.4 3888.19,2287.4 4688.19,2287.4 4988.19,2287.4 138.19,2387.4 238.19,2387.4 338.19,2387.4 438.19,2387.4 538.19,2387.4 638.19,2387.4 738.19,2387.4 838.19,2387.4 938.19,2387.4 1038.19,2387.4 1138.19,2387.4 2838.19,2387.4 2938.19,2387.4 3038.19,2387.4 3138.19,2387.4 3238.19,2387.4 3338.19,2387.4 3438.19,2387.4 3538.19,2387.4 3638.19,2387.4 3738.19,2387.4 3838.19,2387.4 4138.19,2387.4 4238.19,2387.4 4338.19,2387.4 4638.19,2387.4 4838.19,2387.4 5038.19,2387.4 88.19,2487.4 188.19,2487.4 288.19,2487.4 388.19,2487.4 488.19,2487.4 588.19,2487.4 688.19,2487.4 1088.19,2487.4 4388.19,2487.4 4488.19,2487.4 4588.19,2487.4 4688.19,2487.4 4788.19,2487.4 4888.19,2487.4 4988.19,2487.4 1351.38,2500.04 1562.99,2500.98 1467.52,2503.94 3519.68,2538.39 3650.59,2538.39 2502.95,2545.43 3363.19,2554.5 2934.28,2555.12 3180.56,2555.12 3263.53,2555.12 3083.44,2556.03 2629.92,2563.87 2758.86,2565.94 2211.61,2577.76 138.19,2587.4 238.19,2587.4 338.19,2587.4 438.19,2587.4 538.19,2587.4 638.19,2587.4 1938.19,2587.4 4438.19,2587.4 4538.19,2587.4 4638.19,2587.4 4738.19,2587.4 4838.19,2587.4 4938.19,2587.4 5038.19,2587.4 1433.71,2611.22 1346.46,2625 1159.45,2625.98 1614.17,2627.95 1712.8,2627.95 1836.61,2667.32 1966.54,2683.07 88.19,2687.4 188.19,2687.4 288.19,2687.4 388.19,2687.4 1088.19,2687.4 1888.19,2687.4 3888.19,2687.4 4088.19,2687.4 4388.19,2687.4 4488.19,2687.4 4588.19,2687.4 4688.19,2687.4 4788.19,2687.4 4888.19,2687.4 4988.19,2687.4 2294.29,2702.6 99.41,2753.94 733.27,2759.84 2835.63,2759.84 578.74,2763.78 847.44,2778.54 338.19,2787.4 438.19,2787.4 1738.19,2787.4 1838.19,2787.4 1938.19,2787.4 2638.19,2787.4 2738.19,2787.4 3538.19,2787.4 3738.19,2787.4 3838.19,2787.4 3938.19,2787.4 4838.19,2787.4 4938.19,2787.4 5038.19,2787.4 5009.84,2856.3 2444.88,2864.17 3320.87,2877.95 3480.32,2878.94 3928.34,2885.97 988.19,2887.4 1088.19,2887.4 1688.19,2887.4 1788.19,2887.4 1888.19,2887.4 2488.19,2887.4 2688.19,2887.4 2788.19,2887.4 3588.19,2887.4 3688.19,2887.4 4288.19,2887.4 4388.19,2887.4 4709.88,2886.95 3112.2,2893.7 531.5,2897.64 1123.03,2898.82 2437.01,2898.62 3349.41,2898.62 732.28,2902.56 4799.21,2905.51 2642.72,2913.39 788.39,2920.28 5042.32,2927.17 5041.34,2955.71 4268.7,2962.6 1668.31,2965.55 4655.51,2969.49 3907.48,2971.46 4683.07,2980.32 238.19,2987.4 1738.19,2987.4 1110.24,2988.19 1039.37,2990.16 984.25,2993.11 1517.72,3031.5 3292.32,3037.4 2430.12,3041.34 530.51,3045.28 733.27,3045.28 787.4,3065.94 2992.13,3080.71 3736.22,3083.66 4502.95,3083.66 2108.27,3084.65 1688.19,3087.4 1788.19,3087.4 2688.19,3087.4 3588.19,3087.4 3688.19,3087.4 4288.19,3087.4 3914.37,3118.11 4269.68,3150.59 3529.53,3151.57 4346.46,3158.23 4993.31,3185.04 738.19,3187.4 1638.19,3187.4 1738.19,3187.4 2038.19,3187.4 2638.19,3187.4 2938.19,3187.4 5038.19,3187.4 2702.76,3187.99 1822.83,3188.98 2598.43,3189.96 1089.57,3190.94 2335.63,3190.94 1173.23,3194.88 4747.05,3195.87 4817.91,3196.85 4916.34,3205.71 4528.54,3206.69 4005.91,3209.65 4594.49,3223.93 3250,3231.3 3890.75,3232.28 3170.92,3254.92 4861.22,3261.81 3348.43,3263.78 4095.69,3263.78 1039.37,3264.76 2472.44,3267.36 4369.09,3267.72 623.03,3275.59 4489.17,3277.56 1797.24,3284.45 4004.92,3284.45 2672.24,3285.43 988.19,3287.4 1088.19,3287.4 1188.19,3287.4 1288.19,3287.4 1488.19,3287.4 1588.19,3287.4 1688.19,3287.4 2088.19,3287.4 2188.19,3287.4 2388.19,3287.4 2588.19,3287.4 2988.19,3287.4 3088.19,3287.4 3388.19,3287.4 3488.19,3287.4 3588.19,3287.4 3688.19,3287.4 3788.19,3287.4 3888.19,3287.4 4188.19,3287.4 4288.19,3287.4 4888.19,3287.4 4988.19,3287.4 2275.59,3291.34 4768.7,3295.28 4608.27,3302.17 4681.1,3308.07 248.03,3324.8 2474.39,3328.74 3917.12,3330.71 4858.27,3345.47 2379.13,3372.44 1704.72,3380.91 238.19,3387.4 438.19,3387.4 1038.19,3387.4 1338.19,3387.4 1638.19,3387.4 1938.19,3387.4 2138.19,3387.4 2238.19,3387.4 2538.19,3387.4 2638.19,3387.4 2838.19,3387.4 3038.19,3387.4 3138.19,3387.4 3438.19,3387.4 3538.19,3387.4 3738.19,3387.4 3838.19,3387.4 4138.19,3387.4 4238.19,3387.4 4338.19,3387.4 4538.19,3387.4 4638.19,3387.4 4938.19,3387.4 5038.19,3387.4 2285.43,3392.54 4768.7,3392.72 4000.49,3393.7 4684.39,3398.62 3913.61,3399.61 4091.87,3399.61 3171.26,3402.56 327.76,3407.48 4859.25,3411.42 2474.51,3419.29 3367.92,3424.21 1644.68,3442.52 1767.72,3442.52 3729.33,3470.47 4497.05,3470.47 4274.61,3472.44 5040.35,3472.44 2105.32,3473.43 2650.59,3475.39 2989.17,3475.28 3531.5,3475.39 888.19,3487.4 1788.19,3487.4 2188.19,3487.4 2688.19,3487.4 3588.19,3487.4 4188.19,3487.4 1704.72,3503.94 534.69,3559.06 619.2,3559.06 703.71,3559.06 788.22,3559.06 872.73,3559.06 957.25,3559.06 1041.76,3559.06 1126.27,3559.06 1210.78,3559.06 1295.29,3559.06 1379.8,3559.06 1464.31,3559.06 1548.82,3559.06 1633.33,3559.06 1717.85,3559.06 1802.36,3559.06 1886.87,3559.06 1971.38,3559.06 2055.89,3559.06 2140.4,3559.06 2224.91,3559.06 2309.42,3559.06 2393.93,3559.06 2478.45,3559.06 2562.96,3559.06 2647.47,3559.06 2731.98,3559.06 2816.49,3559.06 2901,3559.06 2985.51,3559.06 3070.02,3559.06 3154.53,3559.06 3239.05,3559.06 3323.56,3559.06 3408.07,3559.06 3492.58,3559.06 3577.09,3559.06 3661.6,3559.06 3746.11,3559.06 3830.62,3559.06 3915.13,3559.06 3999.64,3559.06 4084.16,3559.06 4168.67,3559.06 4253.18,3559.06 4337.69,3559.06 4422.2,3559.06 4506.71,3559.06 4591.22,3559.06 4675.73,3559.06 4760.24,3559.06 4844.76,3559.06 4929.27,3559.06 5013.78,3559.06
LC1_PWR: C13.2 P9.1 Q10.3 R35.1 TZ21.2 | length 668.4
  Top Layer w15: R35.1@2885.83,2779.53 2885.83,2787.4 2826.77,2846.46 2826.77,2947.48 Q10.3@2866.14,2986.85 2866.14,3130.12 C13.2@2807.28,3188.98 TZ21.2@2807.28,3286.3 P9.1@2903.74,3286.3
LC2_PWR: C22.2 P11.1 Q12.3 R48.1 TZ22.2 | length 662.7
  Top Layer w15: R48.1@1998.03,2779.53 1998.03,2785.43 1944.26,2839.2 1944.26,2951.35 Q12.3@1979.76,2986.85 1979.76,3134.61 C22.2@1925.39,3188.98 TZ22.2@1925.39,3286.3 P11.1@2021.85,3286.3
LOAD_CON_1: Q11.1 R37.2 R42.1 U4.1 U7.31 | length 1523.9
  Top Layer w12: v1(2465.55,2455.71) 2539.22,2529.37 2783.34,2529.37 2808.47,2554.5 v1(2808.47,2791.19)
  Top Layer w15: U7.31@2465.06,2272.56 v1(2465.06,2346.46)
  Bottom Layer w12: v1(2465.06,2346.46) 2465.55,2346.95 v1(2465.55,2455.71)
  Bottom Layer w15: Q11.1@2805.94,2996.61 2854.5,2948.06 2854.5,2836.1 ; v1(2808.47,2791.19) 2809.59,2791.19 2854.5,2836.1 ; R37.2@3228.35,2931.1 3228.35,2869.09 R42.1@3217.52,2858.27 U4.1@3149.61,2858.27 3149.61,2838.58 3130.54,2819.52 2871.08,2819.52 2854.5,2836.1
LOAD_CON_2: Q13.1 R47.2 R52.1 U6.1 U7.32 | length 1296.2
  Top Layer w15: v1(2351.38,2695.87) 2351.38,2568.91 2350.51,2568.04 v1(2427.28,2491.26) ; v1(2421.26,2354.33) 2433.06,2342.54 U7.32@2433.06,2272.56
  Bottom Layer w15: Q13.1@1924.06,2996.61 1972.61,2948.06 1972.61,2836.1 1989.81,2818.9 2228.35,2818.9 ; R47.2@2347.44,2931.1 2347.44,2869.09 R52.1@2336.61,2858.27 U6.1@2267.72,2858.27 2267.72,2841.27 2245.35,2818.9 2228.35,2818.9 ; v1(2351.38,2695.87) 2228.35,2818.9 ; v1(2421.26,2354.33) 2432.09,2365.16 2427.28,2369.96 v1(2427.28,2491.26)
LOAD_SIG_1: C16.2 R40.2 R41.1 U7.39 | length 1952.6
  Top Layer w15: U7.39@2314.06,2027.56 2148.29,2027.56 2020.93,2154.92 2020.93,2305.42 2077.09,2361.58 2304.4,2361.58 2370.71,2427.89 2486.67,2427.89 2566.66,2507.87 2792.24,2507.87 C16.2@2896.57,2612.2 2911.19,2612.2 2953.26,2654.28 ; v1(2944.88,2870.08) 2984,2830.96 2984,2746.53 2953.26,2715.79 2953.26,2654.28 ; R40.2@2995.33,2612.2 2953.26,2654.28
  Bottom Layer w15: R41.1@2896.57,2925.2 2944.88,2876.89 v1(2944.88,2870.08)
LOAD_SIG_2: C25.2 R50.1 R55.2 U7.40 | length 1321.7
  Top Layer w15: v1(2062.99,2874.01) 2106.3,2830.7 2106.3,2750.72 2062.99,2707.41 2062.99,2653.54 ; R55.2@2113.45,2616.14 2100.39,2616.14 2062.99,2653.54 ; U7.40@2314.06,1996.56 2311.98,1998.63 2144.69,1998.63 1997.93,2145.39 1997.93,2563.87 2014.69,2580.63 C25.2@2014.69,2616.14 2025.59,2616.14 2062.99,2653.54
  Bottom Layer w15: R50.1@2023.62,2925.2 R50.1@2014.69,2925.2 2062.99,2876.89 v1(2062.99,2874.01)
MISO: P13.1 Q6.2 Q7.1 R33.2 U7.11 | length 1765.2
  Top Layer w12: U7.11@2716.06,1782.56 2716.06,1740.64 2732.28,1724.41 2828.89,1724.41 3008.55,1544.74 3338.95,1544.74 3462.35,1668.14 3462.35,1729.78 P13.1@3396.85,1795.28 ; R33.2@3498.03,1448.82 v1(3498.03,1492.13)
  Top Layer w15: R33.2@3498.03,1448.82 3565.51,1381.34 Q6.2@3662.04,1381.34 3702.04,1341.34 v1(3702.04,1338.58)
  Bottom Layer w12: P13.1@3396.85,1795.28 3451.77,1740.35 3451.77,1538.39 v1(3498.03,1492.13)
  Bottom Layer w15: Q7.1@3693.54,1291.34 3702.04,1299.84 v1(3702.04,1338.58)
MOSI: P13.4 Q8.2 Q9.1 R34.2 U7.10 | length 1777.9
  Top Layer w12: U7.10@2685.06,1782.56 2685.06,1830.81 2700.81,1846.56 2735.02,1846.56 3016.84,1564.74 3330.66,1564.74 3442.35,1676.43 3442.35,1714.12 3412.38,1744.09 3350.39,1744.09 3301.57,1695.28 P13.4@3296.85,1695.28 ; R34.2@3108.27,1448.82 v1(3206.8,1448.82) 3272.28,1383.34 Q8.2@3272.28,1381.34
  Top Layer w15: Q8.2@3272.28,1381.34 3312.28,1341.34 v1(3312.28,1338.58)
  Bottom Layer w12: v1(3206.8,1448.82) 3296.85,1538.87 P13.4@3296.85,1695.28
  Bottom Layer w15: Q9.1@3303.78,1291.34 3312.28,1299.84 v1(3312.28,1338.58)
NetC2_1: C2.1 R4.1 R116.2 U1.1 U1.4 | length 1122.7
  Top Layer w15: R116.2@4799.21,793.2 R4.1@4799.21,886.26 C2.1@4799.21,980.31 ; R116.2@4800.2,792.21 4800.2,776.57 4833.91,742.86 4833.91,493.58 4881.62,445.87 5047.24,445.87 5070.87,469.49 5070.87,516.73 5056.1,531.5 U1.4@5043.31,531.5 5016,504.19 4909.92,504.19 4900.84,513.26 4900.84,587.13 4920.01,606.3 U1.1@4937.01,606.3
NetC2_2: C2.2 R2.1 R3.2 | length 267.1
  Top Layer w15: C2.2@4866.14,980.31 4866.14,975.39 4902.56,938.98 4939.96,938.98 R3.2@4976.38,902.56 ; R3.2@4976.38,886.26 4976.38,897.64 5043.31,964.57 R2.1@5043.31,980.31
NetC3_1: C3.1 R3.1 U1.3 | length 424.4
  Top Layer w15: U1.3@4937.01,531.5 4980.79,531.5 5007.14,557.84 5007.14,756.04 C3.1@5043.31,792.21 R3.1@5043.31,886.26
NetC6_1: C6.1 R10.1 R117.2 U2.1 U2.4 | length 1125.9
  Top Layer w15: C6.1@4452.76,980.31 R10.1@4452.76,886.26 R117.2@4452.76,792.21 4452.76,779.53 4487.45,744.83 4487.45,493.58 4531.97,449.07 4702.02,449.07 4735.24,482.28 4735.24,513.74 4717.48,531.5 U2.4@4704.72,531.5 4695.87,531.5 4668.56,504.19 4571.34,504.19 4562.26,513.26 4562.26,587.13 4581.43,606.3 U2.1@4598.43,606.3
NetC6_2: C6.2 R8.1 R9.2 | length 293.1
  Top Layer w15: C6.2@4519.68,980.31 4519.68,976.38 4555.12,940.94 4588.58,940.94 4633.42,896.11 4633.42,881.89 R9.2@4637.8,886.26 4637.8,897.64 4704.72,964.57 R8.1@4704.72,980.31
NetC7_1: C7.1 R9.1 U2.3 | length 424.4
  Top Layer w15: U2.3@4598.43,531.5 4642.21,531.5 4668.56,557.84 4668.56,743.36 4704.72,779.53 C7.1@4704.72,792.21 R9.1@4704.72,886.26
NetC9_2: C9.2 D3.2 Q4.1 R23.1 R26.2 | length 551.1
  Top Layer w15: C9.2@3879.92,1362.2 R26.2@3879.92,1275.59 3879.92,1206.69 D3.2@3893.7,1192.91 3948.82,1192.91 3976.38,1220.47 3976.38,1263.78 Q4.1@4003.93,1291.34 4041.72,1253.56 4041.72,1157.73 R23.1@4077.4,1122.05
NetC10_2: C10.2 D4.2 Q6.1 R24.2 R27.2 | length 541.9
  Top Layer w15: R27.2@3498.03,1362.2 C10.2@3498.03,1275.59 3498.03,1206.69 D4.2@3511.81,1192.91 3551.18,1192.91 3597.33,1239.06 3597.33,1242.75 3598.43,1243.85 3598.43,1267.72 Q6.1@3622.04,1291.34 3659.83,1253.56 3659.83,1157.73 R24.2@3695.51,1122.05
NetC11_2: C11.2 D5.2 Q8.1 R25.2 R28.2 | length 544.2
  Top Layer w15: R28.2@3108.27,1362.2 C11.2@3108.27,1275.59 3108.27,1206.69 D5.2@3122.05,1192.91 3165.35,1192.91 3207.57,1235.12 3207.57,1266.63 Q8.1@3232.28,1291.34 3271.65,1251.96 3271.65,1157.48 3305.74,1123.39 R25.2@3305.74,1122.05
NetC15_1: C15.1 C18.2 R43.1 U3.7 | length 322.3
  Top Layer w15: U3.7@3094.09,2980.32 3094.09,3050.35 R43.1@3128.39,3084.65 C18.2@3216.42,3084.65 3237.52,3084.65 C15.1@3304.45,3151.57
NetC15_2: C15.2 C19.2 R39.1 U3.6 | length 392.8
  Top Layer w15: U3.6@3144.09,2980.32 3144.09,3002.74 3174.67,3033.32 3175.05,3033.32 3181.1,3039.37 3248.03,3039.37 3293.31,3084.65 C15.2@3304.45,3084.65 R39.1@3392.48,3084.65 C19.2@3480.51,3084.65
NetC24_1: C24.1 C26.2 R56.1 U5.7 | length 322.3
  Top Layer w15: U5.7@2212.2,2980.32 2212.2,3050.35 R56.1@2246.5,3084.65 C26.2@2334.53,3084.65 2355.63,3084.65 C24.1@2422.56,3151.57
NetC24_2: C24.2 C27.2 R54.1 U5.6 | length 394.9
  Top Layer w15: U5.6@2262.2,2980.32 2262.2,3006.3 2303.15,3047.24 2385.16,3047.24 C24.2@2422.56,3084.65 R54.1@2510.59,3084.65 C27.2@2598.62,3084.65
NetC32_1: C32.1 L1.2 U7.24 U7.44 | length 978.3
  Top Layer w15: C32.1@2091.46,1850.39 L1.2@2185.04,1850.39 2200.79,1850.39 2220.95,1870.56 U7.44@2314.06,1870.56 2364.42,1870.56 2375.51,1881.64 2652.26,1881.64 2685.06,1914.43 U7.24@2685.06,2272.56
NetC33_1: C33.1 U7.42 | length 125.1
  Top Layer w15: C33.1@2188.98,1933.56 U7.42@2314.06,1933.56